# Allegro board SG2042_EVB_V2_0.brd (continued)
## Routing (per net, layer and track width the routed paths; a pad name or vN(x,y) marks a point on that pad's centre or on a via; arc(x,y) is an arc through that point) (continued)
DDR3_DQS4_N: length 53.3
  TOP w0.109: U1.V1 89.71,231.55 89.82,231.44 89.82,231.26 89.71,231.16 88.48,231.16 88.3,231.33 87.55,231.33 87.53,231.35 87.5,231.35
  TOP w0.127: 87.5,231.35 84.71,231.35 78.37,225.02 78.37,204.78 67.99,194.4 65.75,194.4 arc(65.66,194.43) 65.59,194.49 arc(65.57,194.71) 65.71,194.87 J4.244
DDR3_DQS4_P: length 53.3
  TOP w0.109: 87.5,231.1 87.53,231.1 87.55,231.12 88.21,231.12 88.39,230.94 89.8,230.94 90.25,231.4 U1.V2
  TOP w0.127: 87.5,231.1 84.82,231.1 78.63,224.91 78.63,204.67 68.1,194.15 65.71,194.15 arc(65.54,194.15) 65.37,194.17 J4.245
DDR3_DQS5_N: length 58.5
  TOP w0.109: 87.16,224.75 87.16,224.78 88.33,225.94 89.72,225.94 90.25,226.47 U1.AC2
  TOP w0.127: 87.16,224.75 84.78,222.36 84.78,198.29 70.44,183.95 66.18,183.95 arc(65.79,184.02) 65.46,184.24 65.08,184.63 arc(64.96,184.78) 64.88,184.95 J4.255
DDR3_DQS5_P: length 58.4
  TOP w0.109: U1.AC1 89.63,226.55 89.74,226.44 89.74,226.26 89.63,226.16 88.24,226.16 87.01,224.93 86.98,224.93
  TOP w0.127: 86.98,224.93 84.52,222.47 84.52,198.39 70.33,184.2 66.18,184.2 arc(65.89,184.26) 65.64,184.42 65.26,184.81 arc(65.18,184.95) 65.21,185.12 65.21,185.12 arc(65.28,185.21) 65.39,185.27 65.39,185.27 arc(65.49,185.28) 65.58,185.25 J4.256
DDR3_DQS6_N: length 78.4
  TOP w0.173: U1.U7 v1(94.75,233.05)
  ART10 w0.112: 87.72,230.92 87.75,230.92 87.76,230.91 88.23,230.91 88.53,231.21 90.05,231.21 90.5,231.66 94.91,231.66 95.14,231.89 95.14,232.47 95.24,232.57 95.24,232.94 95.13,233.05 v1(94.75,233.05)
  ART10 w0.117: 87.72,230.92 85.44,230.92 79.78,225.26 79.78,192.81 70.57,183.59 70.57,178.17 68.1,175.7 65.82,175.7 arc(65.69,175.73) 65.59,175.83 65.57,175.87 arc(65.56,176.03) 65.66,176.14 J4.266
DDR3_DQS6_P: length 78.4
  TOP w0.173: U1.U8 v1(95.75,233.05)
  ART10 w0.112: v1(95.75,233.05) 95.47,232.77 95.47,232.48 95.36,232.37 95.36,231.8 95,231.44 90.59,231.44 90.14,230.99 88.62,230.99 88.32,230.69 87.76,230.69 87.75,230.68 87.72,230.68
  ART10 w0.117: 87.72,230.68 85.54,230.68 80.02,225.16 80.02,192.7 70.81,183.49 70.81,178.06 68.2,175.45 65.69,175.45 arc(65.54,175.46) 65.39,175.47 J4.267
DDR3_DQS7_N: length 84.4
  TOP w0.173: U1.AB8 v1(95.75,227.05)
  ART10 w0.112: 88.19,224.93 88.22,224.93 88.23,224.94 89.58,224.94 90.08,225.44 95.02,225.44 95.36,225.78 95.36,226.42 95.47,226.52 95.47,226.77 v1(95.75,227.05)
  ART10 w0.117: J4.277 64.88,166.24 arc(64.96,166.08) 65.07,165.95 65.38,165.63 arc(65.8,165.35) 66.3,165.25 71.34,165.25 85.58,179.49 85.58,222.86 87.66,224.93 88.19,224.93
DDR3_DQS7_P: length 84.3
  TOP w0.173: U1.AB7 v1(94.75,227.05)
  ART10 w0.112: v1(94.75,227.05) 95.14,227.05 95.25,226.94 95.25,226.62 95.14,226.51 95.14,225.87 94.93,225.66 89.99,225.66 89.49,225.16 88.23,225.16 88.22,225.17 88.19,225.17
  ART10 w0.117: 88.19,225.17 87.55,225.17 85.34,222.96 85.34,179.6 71.24,165.5 66.3,165.5 arc(65.89,165.58) 65.55,165.8 65.25,166.11 arc(65.19,166.23) 65.21,166.36 65.26,166.45 arc(65.4,166.57) 65.57,166.55 J4.278
DDR3_ECC_DM_N: length 34.5
  TOP w0.109: U1.C2 90.25,246.6 89.7,247.16 88.38,247.16 88.14,247.39 87.58,247.39 87.56,247.42 87.53,247.42
  TOP w0.127: 87.53,247.42 72.23,247.42 71.66,246.84 71.48,246.84 71.28,247.04 70.9,247.04 70.31,246.46 70.31,246.07 70.51,245.87 70.51,245.69 66.82,242 66.13,242 arc(65.79,241.93) 65.5,241.74 65.2,241.44 arc(64.88,241.23) 64.5,241.15 64.38,241.15 arc(63.9,241.06) 63.49,240.79 63.33,240.62 arc(62.97,240.39) 62.55,240.3 62.52,240.3 arc(62.1,240.39) 61.74,240.62 61.49,240.88 arc(61.4,241.06) 61.43,241.26 61.43,241.27 arc(61.48,241.33) 61.54,241.36 arc(61.67,241.37) 61.81,241.33 J4.52
DDR3_ECC_DM_P: length 34.4
  TOP w0.109: 87.53,247.16 87.56,247.16 87.58,247.18 88.05,247.18 88.29,246.94 89.61,246.94 89.72,246.84 89.72,246.66 89.61,246.55 U1.C1
  TOP w0.127: J4.51 61.06,241.1 arc(61.17,240.88) 61.32,240.69 61.56,240.44 arc(62,240.15) 62.52,240.05 62.55,240.05 arc(63.07,240.15) 63.51,240.45 63.67,240.61 arc(63.99,240.82) 64.38,240.9 64.5,240.9 arc(64.97,240.99) 65.38,241.26 65.68,241.56 arc(65.88,241.7) 66.13,241.75 66.92,241.75 70.76,245.59 70.76,245.98 70.57,246.17 70.57,246.35 71,246.79 71.18,246.79 71.38,246.59 71.77,246.59 72.34,247.16 87.53,247.16
DDR3_ECC_DQ0: length 35.5
  TOP w0.173: J4.49 62.48,243.58 arc(63.02,243.68) 63.47,243.99 63.55,244.07 arc(63.95,244.33) 64.42,244.42 64.45,244.42 arc(64.92,244.52) 65.32,244.78 65.57,245.03 arc(65.84,245.21) 66.16,245.28 67.53,245.28 68.02,245.77 68.02,246.76 70.49,249.23 78.65,249.23 79.63,250.21 87.69,250.21 87.86,250.03 87.86,249.55 88.03,249.38 88.46,249.38 88.64,249.55 88.64,250.03 88.81,250.21 89.59,250.21 U1.A3
DDR3_ECC_DQ1: length 35.2
  TOP w0.173: J4.194 66.19,242.83 68.8,245.45 68.8,246.43 70.82,248.45 79.61,248.45 79.78,248.62 79.78,249.26 79.95,249.43 80.38,249.43 80.56,249.26 80.56,248.62 80.73,248.45 81.16,248.45 81.33,248.62 81.33,249.26 81.51,249.43 81.94,249.43 82.11,249.26 82.11,248.62 82.28,248.45 82.72,248.45 82.89,248.62 82.89,249.26 83.06,249.43 83.49,249.43 83.67,249.26 83.67,248.62 83.84,248.45 84.27,248.45 84.44,248.62 84.44,249.26 84.62,249.43 85.05,249.43 85.22,249.26 85.22,248.62 85.39,248.45 85.83,248.45 86,248.62 86,249.26 86.17,249.43 86.6,249.43 86.78,249.26 86.78,248.62 86.95,248.45 87.84,248.45 88.24,248.05 89.75,248.05 U1.B2
DDR3_ECC_DQ2: length 36.1
  TOP w0.173: U1.B4 v1(91.75,248.05)
  ART03 w0.15: v1(91.75,248.05) 91.25,247.55 91.25,246.57 90.25,245.57 90.25,244.83 89.97,244.55 88.38,244.55 87.43,245.51 74.11,245.51 67.08,238.48 66.24,238.48 arc(65.84,238.4) 65.51,238.17 65.38,238.04 arc(64.92,237.73) 64.38,237.63 J4.56
DDR3_ECC_DQ3: length 35.3
  TOP w0.173: U1.E4 v1(91.75,245.05)
  ART03 w0.15: J4.201 67.08,236.77 74.3,244 82.93,244 83.08,244.15 83.08,244.7 83.23,244.85 83.66,244.85 83.81,244.7 83.81,244.15 83.96,244 84.39,244 84.54,244.15 84.54,244.7 84.68,244.85 85.11,244.85 85.26,244.7 85.26,244.15 85.41,244 85.84,244 85.99,244.15 85.99,244.7 86.14,244.85 86.57,244.85 86.72,244.7 86.72,244.15 86.87,244 90.7,244 v1(91.75,245.05)
DDR3_ECC_DQ4: length 34.2
  TOP w0.173: U1.A2 v1(89.75,249.05)
  ART03 w0.15: v1(89.75,249.05) 81.28,249.05 79.35,247.12 78.63,247.12 78.48,247.27 78.48,247.78 78.33,247.93 77.9,247.93 77.75,247.78 77.75,247.27 77.6,247.12 77.17,247.12 77.02,247.27 77.02,247.78 76.87,247.93 76.44,247.93 76.29,247.78 76.29,247.27 76.14,247.12 73.44,247.12 71.59,245.28 66.3,245.28 arc(65.85,245.18) 65.46,244.93 65.32,244.79 arc(64.92,244.52) 64.45,244.42 64.42,244.42 arc(63.95,244.52) 63.55,244.79 63.48,244.86 arc(63.02,245.17) 62.48,245.28 J4.47
DDR3_ECC_DQ5: length 38.9
  TOP w0.173: U1.E2 v1(89.75,245.05)
  ART03 w0.15: J4.192 71.68,244.43 73.71,246.46 80.82,246.46 80.97,246.61 80.97,247.81 81.12,247.96 81.55,247.96 81.7,247.81 81.7,246.61 81.85,246.46 82.28,246.46 82.43,246.61 82.43,247.81 82.58,247.96 83.01,247.96 83.16,247.81 83.16,246.61 83.31,246.46 83.73,246.46 83.88,246.61 83.88,247.81 84.03,247.96 84.46,247.96 84.61,247.81 84.61,246.61 84.76,246.46 85.19,246.46 85.34,246.61 85.34,247.81 85.49,247.96 85.92,247.96 86.07,247.81 86.07,246.61 86.22,246.46 86.64,246.46 86.79,246.61 86.79,247.81 86.94,247.96 87.37,247.96 87.52,247.81 87.52,246.61 87.67,246.46 88.34,246.46 v1(89.75,245.05)
DDR3_ECC_DQ6: length 41.7
  TOP w0.173: J4.54 64.38,239.33 arc(64.92,239.22) 65.37,238.91 65.4,238.89 arc(65.86,238.58) 66.4,238.48 66.87,238.48 67.57,239.18 67.81,239.18 68.5,238.49 68.74,238.49 69.05,238.8 69.05,239.04 68.36,239.73 68.36,239.97 68.67,240.28 68.91,240.28 69.6,239.59 69.84,239.59 70.15,239.9 70.15,240.14 69.46,240.83 69.46,241.07 69.77,241.38 70.01,241.38 70.7,240.69 70.94,240.69 71.25,241 71.25,241.24 70.56,241.93 70.56,242.17 70.87,242.48 71.11,242.48 71.8,241.79 72.04,241.79 72.35,242.1 72.35,242.34 71.66,243.03 71.66,243.27 71.97,243.58 72.21,243.58 72.9,242.89 73.14,242.89 73.45,243.2 73.45,243.44 72.76,244.13 72.76,244.37 73.07,244.68 73.31,244.68 74,243.99 74.24,243.99 75.14,244.89 88.59,244.89 U1.D1
DDR3_ECC_DQ7: length 42
  TOP w0.173: U1.E1 88.81,244.11 75.46,244.11 74.93,243.58 74.93,243.34 75.61,242.66 75.61,242.41 75.3,242.11 75.06,242.11 74.38,242.79 74.14,242.79 73.83,242.48 73.83,242.24 74.51,241.56 74.51,241.31 74.21,241.01 73.96,241.01 73.28,241.69 73.04,241.69 72.73,241.38 72.73,241.14 73.41,240.46 73.41,240.21 73.11,239.91 72.86,239.91 72.18,240.59 71.94,240.59 71.63,240.28 71.63,240.04 72.31,239.36 72.31,239.11 72.01,238.81 71.76,238.81 71.08,239.49 70.84,239.49 70.53,239.18 70.53,238.94 71.21,238.26 71.21,238.02 70.91,237.71 70.66,237.71 69.98,238.39 69.74,238.39 69.43,238.08 69.43,237.84 70.11,237.16 70.11,236.92 69.81,236.61 69.56,236.61 68.88,237.29 68.64,237.29 68.13,236.77 66.45,236.77 arc(65.86,236.89) 65.36,237.23 64.92,237.66 arc(64.67,238.04) J4.199
DDR3_ECC_DQS_N: length 30.4
  TOP w0.109: U1.D4 92.25,245.64 91.73,246.16 87.98,246.16 87.96,246.18 87.93,246.18
  TOP w0.127: 87.93,246.18 72.75,246.18 66.87,240.3 65.77,240.3 arc(65.66,240.33) 65.58,240.42 arc(65.56,240.61) 65.69,240.76 J4.196
DDR3_ECC_DQS_P: length 30.4
  TOP w0.109: 87.93,245.92 87.96,245.92 87.98,245.94 91.65,245.94 91.76,245.84 91.76,245.66 91.65,245.55 U1.D3
  TOP w0.127: 87.93,245.92 72.85,245.92 66.98,240.05 65.77,240.05 arc(65.76,240.05) 65.75,240.05 arc(65.74,240.05) 65.74,240.05 arc(65.73,240.05) 65.73,240.05 65.71,240.05 arc(65.54,240.05) 65.37,240.07 J4.197
DDR3_EVENT_N: length 97.7
  TOP w0.102: J4.78 61.62,214.59 49.69,214.59 R13.1 v1(49.58,215.09) ; R2389.2 v1(72.03,157.84)
  BOTTOM w0.102: v1(72.03,157.84) 68.73,154.53 51.84,154.53 49.2,157.17 49.2,214.71 v1(49.58,215.09)
DDR3_EVENT_N_L: length 1.7
  TOP w0.102: U2010.5 72.14,147.4 R600.2
DDR3_MA0: length 52.5
  TOP w0.173: U1.P2 89.75,236.05 87.9,236.05 87.71,236.24 82.65,236.24 73.2,226.79 73.2,218.71 72.26,217.78 72.02,217.78 71.43,218.37 71.18,218.37 70.88,218.07 70.88,217.82 71.47,217.23 71.47,216.99 71.16,216.68 70.92,216.68 70.33,217.28 70.08,217.28 69.78,216.97 69.78,216.73 70.37,216.13 70.37,215.89 70.07,215.58 69.82,215.58 69.23,216.18 68.98,216.18 68.68,215.87 68.68,215.63 69.27,215.03 69.27,214.79 68.97,214.48 68.72,214.48 68.13,215.08 67.88,215.08 67.58,214.77 67.58,214.53 68.17,213.93 68.17,213.69 67.46,212.97 66.17,212.97 arc(65.84,213.04) 65.56,213.23 65.21,213.57 arc(64.93,213.76) 64.6,213.83 64.27,213.83 arc(63.94,213.76) 63.66,213.57 63.31,213.23 arc(63.03,213.04) 62.7,212.98 J4.79
DDR3_MA1: length 51.4
  TOP w0.173: U1.N1 88.77,237.03 82.46,237.03 73.51,228.09 72.68,228.09 72.5,227.91 72.5,225.17 72.33,224.99 71.9,224.99 71.73,225.17 71.73,227.91 71.55,228.09 71.12,228.09 70.95,227.91 70.95,225.17 70.78,224.99 70.35,224.99 70.17,225.17 70.17,227.91 70,228.09 69.57,228.09 69.4,227.91 69.4,225.17 69.22,224.99 68.79,224.99 68.62,225.17 68.62,227.91 68.45,228.09 68.01,228.09 67.84,227.91 67.84,225.05 67.67,224.88 66.39,224.88 arc(65.86,224.77) 65.4,224.46 65.37,224.44 arc(64.92,224.13) 64.38,224.03 J4.72
DDR3_MA2: length 42.7
  TOP w0.173: U1.H4 v1(91.75,242.05)
  ART10 w0.135: v1(91.75,242.05) 91.25,241.55 83.71,241.55 72.83,230.66 72.64,230.66 72.08,231.22 71.89,231.22 71.59,230.93 71.59,230.74 72.15,230.18 72.15,229.99 71.86,229.69 71.67,229.69 71.11,230.25 70.92,230.25 70.62,229.96 70.62,229.77 71.18,229.21 71.18,229.02 70.89,228.72 70.7,228.72 70.14,229.28 69.95,229.28 69.65,228.99 69.65,228.8 70.21,228.24 70.21,228.05 69.91,227.75 69.72,227.75 69.17,228.31 68.98,228.31 68.68,228.02 68.68,227.83 69.24,227.27 69.24,227.08 68.94,226.78 68.75,226.78 68.2,227.34 68.01,227.34 67.71,227.05 67.71,226.86 68.27,226.3 68.27,226.11 J4.216
DDR3_MA3: length 47.7
  TOP w0.173: U1.N3 v1(90.75,237.05)
  ART03 w0.15: v1(90.75,237.05) 90.24,236.54 82.12,236.54 72.46,226.88 72.46,224.41 71.73,223.69 71.73,223.47 72.45,222.75 72.45,222.54 72.15,222.24 71.94,222.24 71.22,222.96 71.01,222.96 70.7,222.66 70.7,222.45 71.93,221.22 71.93,221.01 71.63,220.7 71.42,220.7 70.19,221.93 69.98,221.93 69.52,221.48 68.71,221.48 68.56,221.62 68.56,222.33 68.41,222.48 67.98,222.48 67.83,222.33 67.83,221.62 67.68,221.48 66.12,221.48 arc(65.83,221.53) 65.59,221.69 65.18,222.11 arc(64.94,222.27) 64.65,222.32 64.22,222.32 arc(63.93,222.38) 63.69,222.54 63.28,222.96 arc(63.04,223.12) 62.75,223.18 62.32,223.18 arc(62.03,223.23) 61.79,223.39 61.12,224.06 arc(60.87,224.44) J4.71
DDR3_MA4: length 46.5
  TOP w0.173: U1.M2 v1(89.75,238.05)
  ART03 w0.15: v1(89.75,238.05) 89.25,238.55 88.05,238.55 87.89,238.39 87.89,237.68 87.74,237.53 87.31,237.53 87.16,237.68 87.16,238.39 87.01,238.54 86.58,238.54 86.43,238.39 86.43,237.68 86.28,237.53 85.85,237.53 85.7,237.68 85.7,238.39 85.55,238.54 85.13,238.54 84.98,238.39 84.98,237.68 84.83,237.53 84.4,237.53 84.25,237.68 84.25,238.39 84.1,238.54 83.67,238.54 83.52,238.39 83.52,237.68 83.37,237.53 81.71,237.53 72.24,228.07 70.62,228.07 70.47,227.92 70.47,226.41 70.32,226.26 69.89,226.26 69.74,226.41 69.74,228.55 69.59,228.7 69.16,228.7 69.01,228.55 69.01,225.29 68.86,225.14 68.43,225.14 68.28,225.29 68.28,227.92 68.13,228.07 67.7,228.07 67.55,227.92 67.55,225.82 67.4,225.67 66.24,225.67 J4.214
DDR3_MA5: length 39.8
  TOP w0.173: U1.G3 v1(90.75,243.05)
  ART12 w0.135: v1(90.75,243.05) 84.28,243.05 71.8,230.57 71.61,230.57 71.15,231.03 70.96,231.03 70.67,230.74 70.67,230.55 71.13,230.09 71.13,229.9 70.83,229.6 70.64,229.6 70.18,230.06 69.99,230.06 69.7,229.77 69.7,229.58 70.16,229.12 70.16,228.93 69.86,228.63 69.67,228.63 69.21,229.09 69.02,229.09 68.73,228.8 68.73,228.61 69.19,228.15 69.19,227.96 68.89,227.66 68.7,227.66 68.24,228.12 68.05,228.12 67.76,227.83 67.76,227.64 68.22,227.18 68.22,226.99 67.8,226.58 J4.213
DDR3_MA6: length 46.7
  TOP w0.173: U1.M3 v1(90.75,238.05)
  ART03 w0.15: v1(90.75,238.05) 90.25,237.55 89.21,237.55 88.7,237.04 81.91,237.04 71.32,226.44 71.32,226.23 71.96,225.59 71.96,225.38 71.66,225.07 71.45,225.07 70.8,225.72 70.59,225.72 70.29,225.41 70.29,225.2 71.31,224.18 71.31,223.97 71.01,223.66 70.8,223.66 69.78,224.69 69.56,224.69 69.26,224.38 69.26,224.17 70.28,223.15 70.28,222.94 69.98,222.64 69.77,222.64 68.75,223.66 67.58,223.66 67.09,223.18 66.12,223.18 arc(65.83,223.23) 65.59,223.39 65.18,223.81 arc(64.94,223.97) 64.65,224.02 64.22,224.02 arc(63.93,224.08) 63.69,224.24 63.28,224.66 arc(63.04,224.82) 62.75,224.88 62.32,224.88 arc(62.03,224.93) 61.79,225.09 61.12,225.77 arc(60.87,226.14) 60.79,226.57 J4.69
DDR3_MA7: length 40.5
  TOP w0.173: U1.G4 v1(91.75,243.05)
  ART10 w0.135: J4.211 67.06,228.28 68,229.22 68,229.41 67.62,229.79 67.62,229.98 67.92,230.27 68.11,230.27 68.49,229.89 68.68,229.89 68.97,230.19 68.97,230.38 68.59,230.76 68.59,230.95 68.89,231.24 69.08,231.24 69.46,230.86 69.65,230.86 69.94,231.16 69.94,231.35 69.56,231.73 69.56,231.92 69.86,232.21 70.05,232.21 70.43,231.83 70.62,231.83 70.91,232.13 70.91,232.32 70.53,232.7 70.53,232.89 70.83,233.18 71.02,233.18 71.4,232.8 71.59,232.8 71.88,233.1 71.88,233.29 71.5,233.67 71.5,233.86 71.8,234.15 71.99,234.15 72.37,233.77 72.56,233.77 81.34,242.55 91.25,242.55 v1(91.75,243.05)
DDR3_MA8: length 45.3
  TOP w0.173: U1.L2 v1(89.75,239.05)
  ART03 w0.15: J4.68 64.38,227.42 arc(64.92,227.53) 65.38,227.84 65.47,227.94 arc(65.85,228.19) 66.29,228.27 67.09,228.27 68.03,229.21 70.89,229.21 71.47,228.63 71.68,228.63 71.99,228.93 71.99,229.15 71.4,229.73 71.4,229.94 71.71,230.24 71.92,230.24 72.71,229.45 72.92,229.45 73.23,229.75 73.23,229.96 72.43,230.76 72.43,230.97 72.74,231.27 72.95,231.27 73.74,230.48 73.95,230.48 74.26,230.78 74.26,230.99 73.46,231.79 73.46,232 73.76,232.3 73.98,232.3 74.77,231.51 74.98,231.51 75.29,231.81 75.29,232.02 74.49,232.82 74.49,233.03 74.79,233.33 75.01,233.33 75.8,232.54 76.01,232.54 76.31,232.84 76.31,233.05 75.52,233.85 75.52,234.06 75.82,234.36 76.03,234.36 76.83,233.57 77.04,233.57 82.52,239.05 v1(89.75,239.05)
DDR3_MA9: length 44.1
  TOP w0.173: U1.K3 v1(90.75,240.05)
  ART03 w0.15: J4.66 64.38,229.13 arc(64.92,229.23) 65.38,229.54 65.4,229.56 arc(65.86,229.87) 66.4,229.97 70.74,229.97 76.06,235.3 76.27,235.3 77.07,234.51 77.28,234.51 77.58,234.81 77.58,235.02 76.79,235.82 76.79,236.03 77.09,236.33 77.3,236.33 78.1,235.54 78.31,235.54 78.61,235.84 78.61,236.05 77.82,236.85 77.82,237.06 78.12,237.36 78.33,237.36 79.13,236.57 79.34,236.57 79.64,236.87 79.64,237.08 78.85,237.88 78.85,238.09 79.15,238.39 79.36,238.39 80.16,237.6 80.37,237.6 80.67,237.9 80.67,238.11 79.88,238.9 79.88,239.12 80.18,239.42 80.39,239.42 81.19,238.62 81.4,238.62 82.32,239.55 90.25,239.55 v1(90.75,240.05)
DDR3_MA10: length 51.5
  TOP w0.173: U1.P1 82.93,235.55 73.89,226.5 73.89,218.08 72.95,217.14 72.95,216.9 73.68,216.16 73.68,215.92 73.37,215.61 73.13,215.61 72.4,216.35 72.15,216.35 71.85,216.04 71.85,215.8 72.58,215.06 72.58,214.82 72.27,214.51 72.03,214.51 71.3,215.25 71.05,215.25 70.75,214.94 70.75,214.7 71.48,213.96 71.48,213.72 71.18,213.42 70.93,213.42 70.2,214.15 69.95,214.15 69.65,213.84 69.65,213.6 70.38,212.87 70.38,212.62 70.08,212.32 69.83,212.32 69.1,213.05 68.85,213.05 68.55,212.74 68.55,212.5 69.28,211.77 69.28,211.52 68.98,211.22 68.73,211.22 68,211.95 67.75,211.95 67.08,211.28 J4.225
DDR3_MA11: length 48.9
  TOP w0.173: J4.210 71.41,229.13 71.94,229.65 72.18,229.65 73.02,228.81 73.26,228.81 73.57,229.12 73.57,229.36 72.73,230.2 72.73,230.44 73.04,230.75 73.28,230.75 74.12,229.91 74.36,229.91 74.67,230.22 74.67,230.46 73.83,231.3 73.83,231.54 74.14,231.85 74.38,231.85 75.22,231.01 75.46,231.01 75.77,231.32 75.77,231.56 74.93,232.4 74.93,232.64 75.24,232.95 75.48,232.95 76.32,232.11 76.56,232.11 76.87,232.42 76.87,232.66 76.03,233.5 76.03,233.74 76.34,234.05 76.58,234.05 77.42,233.21 77.66,233.21 77.97,233.51 77.97,233.76 77.13,234.6 77.13,234.84 77.43,235.14 77.68,235.14 78.51,234.31 78.76,234.31 79.06,234.61 79.06,234.86 78.23,235.69 78.23,235.94 78.53,236.24 78.78,236.24 79.61,235.41 79.86,235.41 80.16,235.71 80.16,235.96 79.33,236.79 79.33,237.04 79.63,237.34 79.88,237.34 80.71,236.51 80.96,236.51 81.26,236.81 81.26,237.06 80.43,237.89 80.43,238.14 80.73,238.44 80.98,238.44 81.81,237.61 82.06,237.61 83,238.55 U1.L1
DDR3_MA12: length 48.5
  TOP w0.173: U1.K1 89.12,239.42 88.07,239.42 87.89,239.6 87.89,240.67 87.72,240.84 87.29,240.84 87.12,240.67 87.12,239.5 86.94,239.32 86.51,239.32 86.34,239.5 86.34,240.67 86.17,240.84 85.73,240.84 85.56,240.67 85.56,239.5 85.39,239.32 84.96,239.32 84.78,239.5 84.78,240.67 84.61,240.84 84.18,240.84 84.01,240.67 84.01,239.5 83.83,239.32 83.4,239.32 83.23,239.5 83.23,240.67 83.06,240.84 82.63,240.84 82.45,240.67 82.45,239.5 82.28,239.32 80.64,239.32 71.29,229.97 70.49,229.97 70.32,230.15 70.32,231.29 70.15,231.47 69.72,231.47 69.54,231.29 69.54,230.15 69.37,229.97 68.94,229.97 68.77,230.15 68.77,231.29 68.59,231.47 68.16,231.47 67.99,231.29 67.99,230.15 67.82,229.97 66.25,229.97 arc(65.84,229.89) 65.5,229.66 65.32,229.48 arc(64.92,229.22) 64.45,229.13 64.42,229.13 arc(63.95,229.22) 63.55,229.48 63.47,229.56 arc(63.02,229.87) 62.48,229.98 J4.65
DDR3_MA13: length 48.6
  TOP w0.173: U1.R3 v1(90.75,235.05)
  ART03 w0.15: v1(90.75,235.05) 89.75,236.05 82.32,236.05 72.96,226.68 72.96,212.1 68.37,207.51 68.16,207.51 67.66,208.01 67.44,208.01 67.14,207.7 67.14,207.49 67.64,206.99 67.64,206.78 J4.232
DDR3_MA14: length 48.1
  TOP w0.173: U1.M6 v1(93.75,238.05)
  ART10 w0.135: v1(93.75,238.05) 93.25,238.55 85.14,238.55 68.41,221.82 68.41,212.35 68.2,212.14 68.2,211.88 68.41,211.67 68.41,211.41 68.2,211.2 68.2,210.94 68.41,210.74 68.41,210.06 67.07,208.73 J4.228
DDR3_MA15: length 50.6
  TOP w0.173: U1.N6 v1(93.75,237.05)
  ART10 w0.135: v1(93.75,237.05) 93.25,237.55 84.81,237.55 74.85,227.59 68.59,208.82 67.64,207.87 66.34,207.87 arc(65.85,207.78) 65.43,207.5 65.38,207.44 arc(64.92,207.13) 64.37,207.02 J4.86
DDR3_MA16: length 48.2
  TOP w0.173: U1.M5 v1(92.75,238.05)
  ART12 w0.135: v1(92.75,238.05) 92.25,237.55 84.48,237.55 74.69,227.76 74.69,217.85 68.11,211.27 66.28,211.27 arc(65.85,211.19) 65.48,210.94 65.38,210.84 arc(64.92,210.53) 64.37,210.43 J4.82
DDR3_MA17: length 48
  TOP w0.173: U1.R2 v1(89.75,235.05)
  ART03 w0.15: J4.234 67.32,204.76 67.53,204.76 67.85,204.44 68.06,204.44 68.37,204.74 68.37,204.95 68.05,205.27 68.05,205.48 73.45,210.89 73.45,226.47 82.53,235.55 89.25,235.55 v1(89.75,235.05)
DDR3_ODT0: length 53.9
  TOP w0.173: U1.N7 v1(94.75,237.05)
  ART10 w0.135: v1(94.75,237.05) 94.25,236.55 84.47,236.55 75.26,227.34 69.29,209.44 68.89,208.06 67,206.18 66.27,206.18 arc(65.85,206.09) 65.49,205.85 65.32,205.69 arc(64.92,205.42) 64.45,205.32 64.42,205.32 arc(63.95,205.42) 63.55,205.69 63.48,205.76 arc(63.02,206.07) 62.47,206.18 J4.87
DDR3_ODT1: length 55
  TOP w0.173: U1.P5 v1(92.75,236.05)
  ART12 w0.135: J4.91 62.47,202.78 arc(63.02,202.67) 63.48,202.36 63.55,202.29 arc(63.95,202.02) 64.42,201.92 64.45,201.92 arc(64.92,202.02) 65.32,202.29 65.51,202.47 arc(65.84,202.7) 66.24,202.78 66.7,202.78 arc(67.04,202.86) 67.28,203.11 75.63,217.52 75.63,227.36 83.82,235.55 92.25,235.55 v1(92.75,236.05)
DDR3_PAR: length 48.5
  TOP w0.173: U1.L7 v1(94.75,239.05)
  ART10 w0.135: J4.222 67.93,215.57 67.93,216.08 67.8,216.21 67.14,216.21 67.01,216.35 67.01,216.77 67.14,216.9 67.8,216.9 67.93,217.04 67.93,217.45 67.8,217.59 67.14,217.59 67.01,217.72 67.01,218.14 67.14,218.27 67.8,218.27 67.93,218.41 67.93,218.82 67.8,218.96 67.14,218.96 67.01,219.09 67.01,219.51 67.14,219.64 67.8,219.64 67.93,219.78 67.93,222.01 85.47,239.55 94.25,239.55 v1(94.75,239.05)
DDR3_PLL_TESTOUT_N: length 1.4
  TOP w0.127: U1.M8 v1(95.75,238.05)
  BOTTOM w0.127: T32.1 v1(95.75,238.05)
DDR3_PLL_TESTOUT_P: length 1.4
  TOP w0.127: U1.M9 v1(96.75,238.05)
  BOTTOM w0.127: T31.1 v1(96.75,238.05)
DDR3_RESET_N: length 45.6
  TOP w0.173: U1.F2 89.75,243.05 88.8,243.05 88.68,242.93 77.6,242.93 69.74,235.07 66.33,235.07 arc(65.85,235.17) 65.45,235.44 65.37,235.51 arc(64.92,235.82) 64.38,235.93 J4.58 60.7,235.93 arc(60.16,236.03) 59.7,236.34 59.68,236.36 arc(59.22,236.67) 58.68,236.77 57,236.77 arc(56.46,236.67) 56,236.36 55.92,236.28 arc(55.52,236.02) 55.06,235.93 55.02,235.93 arc(54.55,236.02) 54.15,236.28 54.02,236.42 arc(53.62,236.68) 53.16,236.77 53.12,236.77 arc(52.65,236.87) 52.25,237.13 52.18,237.21 arc(51.72,237.52) 51.18,237.62 50.65,237.62 arc(50.24,237.71) 49.89,237.94 T27.1
DDR3_VDDPLL: length 1
  BOTTOM w0.381: FB20.1 C1462.1
  vias: v1(104.25,226.55)
DDR3_VDDQCK: length 1
  BOTTOM w0.381: FB19.1 C1460.1
  vias: v1(104.25,227.55)
DDR23_VDDQ_1V2: length 1039.7
  TOP w0.203: v1(48.62,189.94) C6138.2 R12861.2
  TOP w0.254: J3.83 52.05,209.58 ; J3.83 50.73,209.58 ; J3.83 51.39,208.91 ; J3.83 51.39,210.24 ; J3.206 56.79,233.19 ; J3.206 57.45,232.53 ; J3.206 56.13,232.53 ; J3.206 56.79,231.86 ; 49.12,204.24 C47.1 ; C47.1 49.56,204.67 ; C47.1 v1(50.16,204.24) ; J3.220 57.45,220.63 ; J3.220 56.13,220.63 ; J3.220 56.79,221.29 ; U56.2 42.32,224.37 41.73,223.77 C1538.1 41.73,222.4 C3155.1 ; 49.12,230.02 R2243.2 ; R2243.2 49.99,230.02 ; R2243.2 49.56,229.59 ; J4.76 62.39,221.29 ; J4.76 63.05,220.63 ; J4.76 61.73,220.63 ; J3.70 53.65,225.73 ; J3.70 52.99,225.06 ; J3.70 52.33,225.73 ; J3.70 52.99,226.39 ; J3.233 55.85,204.48 ; J3.233 55.19,203.81 ; J3.233 54.53,204.48 ; J3.233 55.19,205.14 ; C6140.2 40.06,205.49 ; C6140.2 40.49,205.05 ; C6140.2 40.06,204.62 ; C51.1 49.56,228.73 ; C51.1 v1(50.16,228.3) ; C51.1 49.12,228.3 ; 66.19,221.29 J4.220 65.53,220.63 ; C48.1 49.56,208.33 ; C48.1 v1(50.16,207.9) ; C48.1 49.12,207.9 ; C52.1 49.56,233.81 ; C52.1 v1(50.16,233.38) ; C52.1 49.12,233.38 ; 58.78,232.13 C72.1 ; C72.1 59.21,232.56 ; C72.1 v1(58.17,232.56) ; C70.1 59.21,224.03 ; C70.1 58.78,223.6 ; C70.1 v1(58.17,224.03) ; 61.73,225.73 J4.70 ; J4.70 62.39,226.39 ; J4.70 62.39,225.06 ; J4.70 63.05,225.73 ; 54.53,223.18 J3.217 ; J3.217 55.85,223.18 ; J3.217 55.19,222.51 ; J3.217 55.19,223.84 ; J3.215 55.85,224.88 ; J3.215 55.19,225.54 ; J3.215 54.53,224.88 ; J3.215 55.19,224.21 ; 56.79,233.56 J3.204 ; J3.204 57.45,234.23 ; J3.204 56.13,234.23 ; J3.204 56.79,234.89 ; 61.73,201.93 J4.92 ; J4.92 63.05,201.93 ; J4.92 62.39,202.59 ; 51.39,222.51 J3.73 ; J3.73 50.73,223.18 ; J3.73 52.05,223.18 ; J3.73 51.39,223.84 ; 64.59,225.54 J4.215 63.93,224.88 ; 58.78,210.87 C69.1 ; C69.1 58.34,211.3 ; C69.1 59.21,211.3 ; 52.33,205.33 J3.88 ; J3.88 52.99,204.66 ; J3.88 52.99,205.99 ; J3.88 53.65,205.33 ; 64.59,222.51 J4.217 ; J4.217 65.25,223.18 ; J4.217 63.93,223.18 ; J3.90 53.65,203.63 ; J3.90 52.99,202.96 ; J3.90 52.99,204.29 ; J3.90 52.33,203.63 ; 60.13,223.18 J4.73 ; J4.73 61.45,223.18 ; J4.73 60.79,223.84 ; J4.73 60.79,222.51 ; 54.53,212.98 J3.223 ; J3.223 55.85,212.98 ; J3.223 55.19,212.31 ; J4.90 62.39,204.29 ; J4.90 61.73,203.63 ; J4.90 63.05,203.63 ; J4.90 62.39,202.96 ; 65.53,227.42 J4.212 ; J4.212 66.19,228.09 ; J4.212 66.19,226.76 ; C50.1 v1(50.16,224.03) ; C50.1 49.12,224.03 ; C50.1 49.56,223.6 ; C3155.1 41.71,222.25 41,221.54 R657.1 ; C3155.1 v1(42.62,222.25) ; J4.88 62.39,205.99 ; J4.88 63.05,205.33 ; J4.88 62.39,204.66 ; J4.88 61.73,205.33 ; 50.73,233.38 J3.61 ; J3.61 51.39,234.04 ; J3.61 52.05,233.38 ; J3.61 51.39,232.71 ; J4.85 61.45,207.88 ; J4.85 60.13,207.88 ; J4.85 60.79,208.54 ; J4.85 60.79,207.21 ; J3.59 52.05,235.08 ; J3.59 50.73,235.08 ; J3.59 51.39,234.41 ; 53.65,230.83 J3.64 52.99,230.16 ; 56.13,210.43 J3.226 ; J3.226 56.79,209.76 ; J3.226 56.79,211.09 ; J3.226 57.45,210.43 ; 54.53,207.88 J3.229 ; J3.229 55.85,207.88 ; J3.229 55.19,208.54 ; J3.229 55.19,207.21 ; 66.19,202.59 J4.236 65.53,201.93 ; 50.73,228.28 J3.67 ; J3.67 52.05,228.28 ; J3.67 51.39,228.94 ; J3.67 51.39,227.61 ; J3.80 52.99,212.79 ; J3.80 53.65,212.13 ; J3.80 52.99,211.46 ; J3.80 52.33,212.13 ; J3.209 55.85,229.98 ; J3.209 54.53,229.98 ; J3.209 55.19,229.31 ; 60.13,209.58 J4.83 ; J4.83 60.79,208.91 ; J4.83 60.79,210.24 ; J4.83 61.45,209.58 ; J3.76 53.65,220.63 ; J3.76 52.33,220.63 ; J3.76 52.99,221.29 ; 58.78,229.59 R2244.2 ; R2244.2 59.21,230.02 ; R2244.2 58.34,230.02 ; 49.56,234.67 C53.1 ; C53.1 49.12,235.1 ; C53.1 v1(50.16,235.1) ; J3.92 53.65,201.93 ; J3.92 52.33,201.93 ; J3.92 52.99,202.59 ; 60.79,232.71 J4.61 ; J4.61 60.13,233.38 ; J4.61 61.45,233.38 ; J4.61 60.79,234.04 ; 63.93,207.88 J4.229 ; J4.229 64.59,207.21 ; J4.229 64.59,208.54 ; J4.229 65.25,207.88 ; 63.93,212.98 J4.223 64.59,212.31 ; 58.78,227.05 C71.1 ; C71.1 59.21,227.48 ; C71.1 v1(58.17,227.48) ; J4.67 60.79,228.94 ; J4.67 60.13,228.28 ; J4.67 61.45,228.28 ; J4.67 60.79,227.61 ; R495.2 v1(47.83,277.57) ; C73.1 59.21,235.1 ; C73.1 58.78,234.67 ; C73.1 58.34,235.1 ; 63.93,206.18 J4.231 ; J4.231 64.59,205.51 ; J4.231 65.25,206.18 ; J4.231 64.59,206.84 ; 63.93,204.48 J4.233 ; J4.233 64.59,205.14 ; J4.233 64.59,203.81 ; J4.233 65.25,204.48 ; C67.1 58.78,204.67 ; C67.1 58.34,204.24 ; C67.1 59.21,204.24 ; 56.79,226.76 J3.212 ; J3.212 57.45,227.42 ; J3.212 56.79,228.09 ; J3.212 56.13,227.42 ; 61.73,212.13 J4.80 ; J4.80 62.39,211.46 ; J4.80 63.05,212.13 ; 58.34,207.9 C68.1 ; C68.1 58.78,208.33 ; C68.1 59.21,207.9 ; 54.53,206.18 J3.231 ; J3.231 55.19,206.84 ; J3.231 55.19,205.51 ; J3.231 55.85,206.18 ; 60.79,234.41 J4.59 ; J4.59 61.45,235.08 ; J4.59 60.13,235.08 ; 51.39,207.21 J3.85 ; J3.85 50.73,207.88 ; J3.85 52.05,207.88 ; J3.85 51.39,208.54 ; 65.53,210.43 J4.226 66.19,209.76 ; R493.2 v1(47.83,279.65) ; C49.1 49.56,211.94 ; C49.1 49.12,211.51 ; C49.1 v1(50.16,211.51) ; J3.236 56.79,202.59 ; J3.236 57.45,201.93 ; J3.236 56.13,201.93
  TOP w0.381: U1.N5 v1(92.75,237.05) ; U1.AD11 v1(98.75,226.05) ; U1.L3 v1(90.75,239.05) ; U1.AL12 v1(99.75,218.05) ; U1.AP9 v1(96.75,215.05) ; U1.AB11 v1(98.75,228.05) ; U1.BG10 v1(97.75,202.05) ; U1.W10 v1(97.75,231.05) ; U1.AY11 v1(98.75,209.05) ; U1.N10 v1(97.75,237.05) ; U1.L8 v1(95.75,239.05) ; U1.BD7 v1(94.75,205.05) ; U1.M11 v1(98.75,238.05) ; U1.L10 v1(97.75,239.05) ; U1.AA10 v1(97.75,229.05) ; U1.W12 v1(99.75,231.05) ; U1.AE12 v1(99.75,225.05) ; U1.BD4 v1(91.75,205.05) ; U1.AW12 v1(99.75,210.05) ; U1.U12 v1(99.75,233.05) ; U1.K9 v1(96.75,240.05) ; U1.BE8 v1(95.75,204.05) ; U1.J1 v1(88.75,241.05) ; U1.BC10 v1(97.75,206.05) ; U1.AM11 v1(98.75,217.05) ; U1.AN10 v1(97.75,216.05) ; U1.BF5 v1(92.75,203.05) ; U1.AE10 v1(97.75,225.05) ; U1.AF11 v1(98.75,224.05) ; U1.V11 v1(98.75,232.05) ; U1.L12 v1(99.75,239.05) ; U1.AK11 v1(98.75,219.05) ; U1.AT9 v1(96.75,213.05) ; U1.AT11 v1(98.75,213.05) ; U1.AV9 v1(96.75,211.05) ; U1.AG12 v1(99.75,223.05) ; U1.T11 v1(98.75,234.05) ; U1.L6 v1(93.75,239.05) ; U1.AP11 v1(98.75,215.05) ; U1.AG10 v1(97.75,223.05) ; U1.P11 v1(98.75,236.05) ; U1.J8 v1(95.75,241.05) ; U1.R10 v1(97.75,235.05) ; U1.AW6 v1(93.75,210.05) ; U1.AH11 v1(98.75,222.05) ; U1.AV11 v1(98.75,211.05) ; U1.AU8 v1(95.75,212.05) ; U1.BB11 v1(98.75,207.05) ; U1.AJ12 v1(99.75,220.05) ; U1.AC12 v1(99.75,227.05) ; U1.AU12 v1(99.75,212.05) ; U1.V9 v1(96.75,232.05) ; U1.BC8 v1(95.75,206.05) ; U1.AU10 v1(97.75,212.05) ; U1.J10 v1(97.75,241.05) ; U1.J12 v1(99.75,241.05) ; U1.BG8 v1(95.75,202.05) ; U1.R4 v1(91.75,235.05) ; U1.AR10 v1(97.75,214.05) ; U1.N8 v1(95.75,237.05) ; U1.BE12 v1(99.75,204.05) ; U1.N2 v1(89.75,237.05) ; U1.AW8 v1(95.75,210.05) ; U1.BF2 v1(89.75,203.05) ; U1.BH9 v1(96.75,201.05) ; U1.BA12 v1(99.75,208.05) ; U1.AJ10 v1(97.75,220.05) ; U1.U10 v1(97.75,233.05) ; U1.BE10 v1(97.75,204.05) ; U1.R7 v1(94.75,235.05) ; U1.BD11 v1(98.75,205.05) ; U1.AL10 v1(97.75,218.05) ; U1.K4 v1(91.75,240.05) ; U1.AW10 v1(97.75,210.05) ; U1.AN12 v1(99.75,216.05) ; U1.AA12 v1(99.75,229.05) ; U1.BB6 v1(93.75,207.05) ; U1.AC10 v1(97.75,227.05) ; U1.K11 v1(98.75,240.05) ; U1.R12 v1(99.75,235.05) ; U1.Y11 v1(98.75,230.05) ; U1.BA10 v1(97.75,208.05) ; U1.N12 v1(99.75,237.05) ; U1.AR12 v1(99.75,214.05) ; U1.BC12 v1(99.75,206.05) ; U1.BF9 v1(96.75,203.05)